# Altium PCB MD2084.PcbDoc (part 3 of 4) (continued)
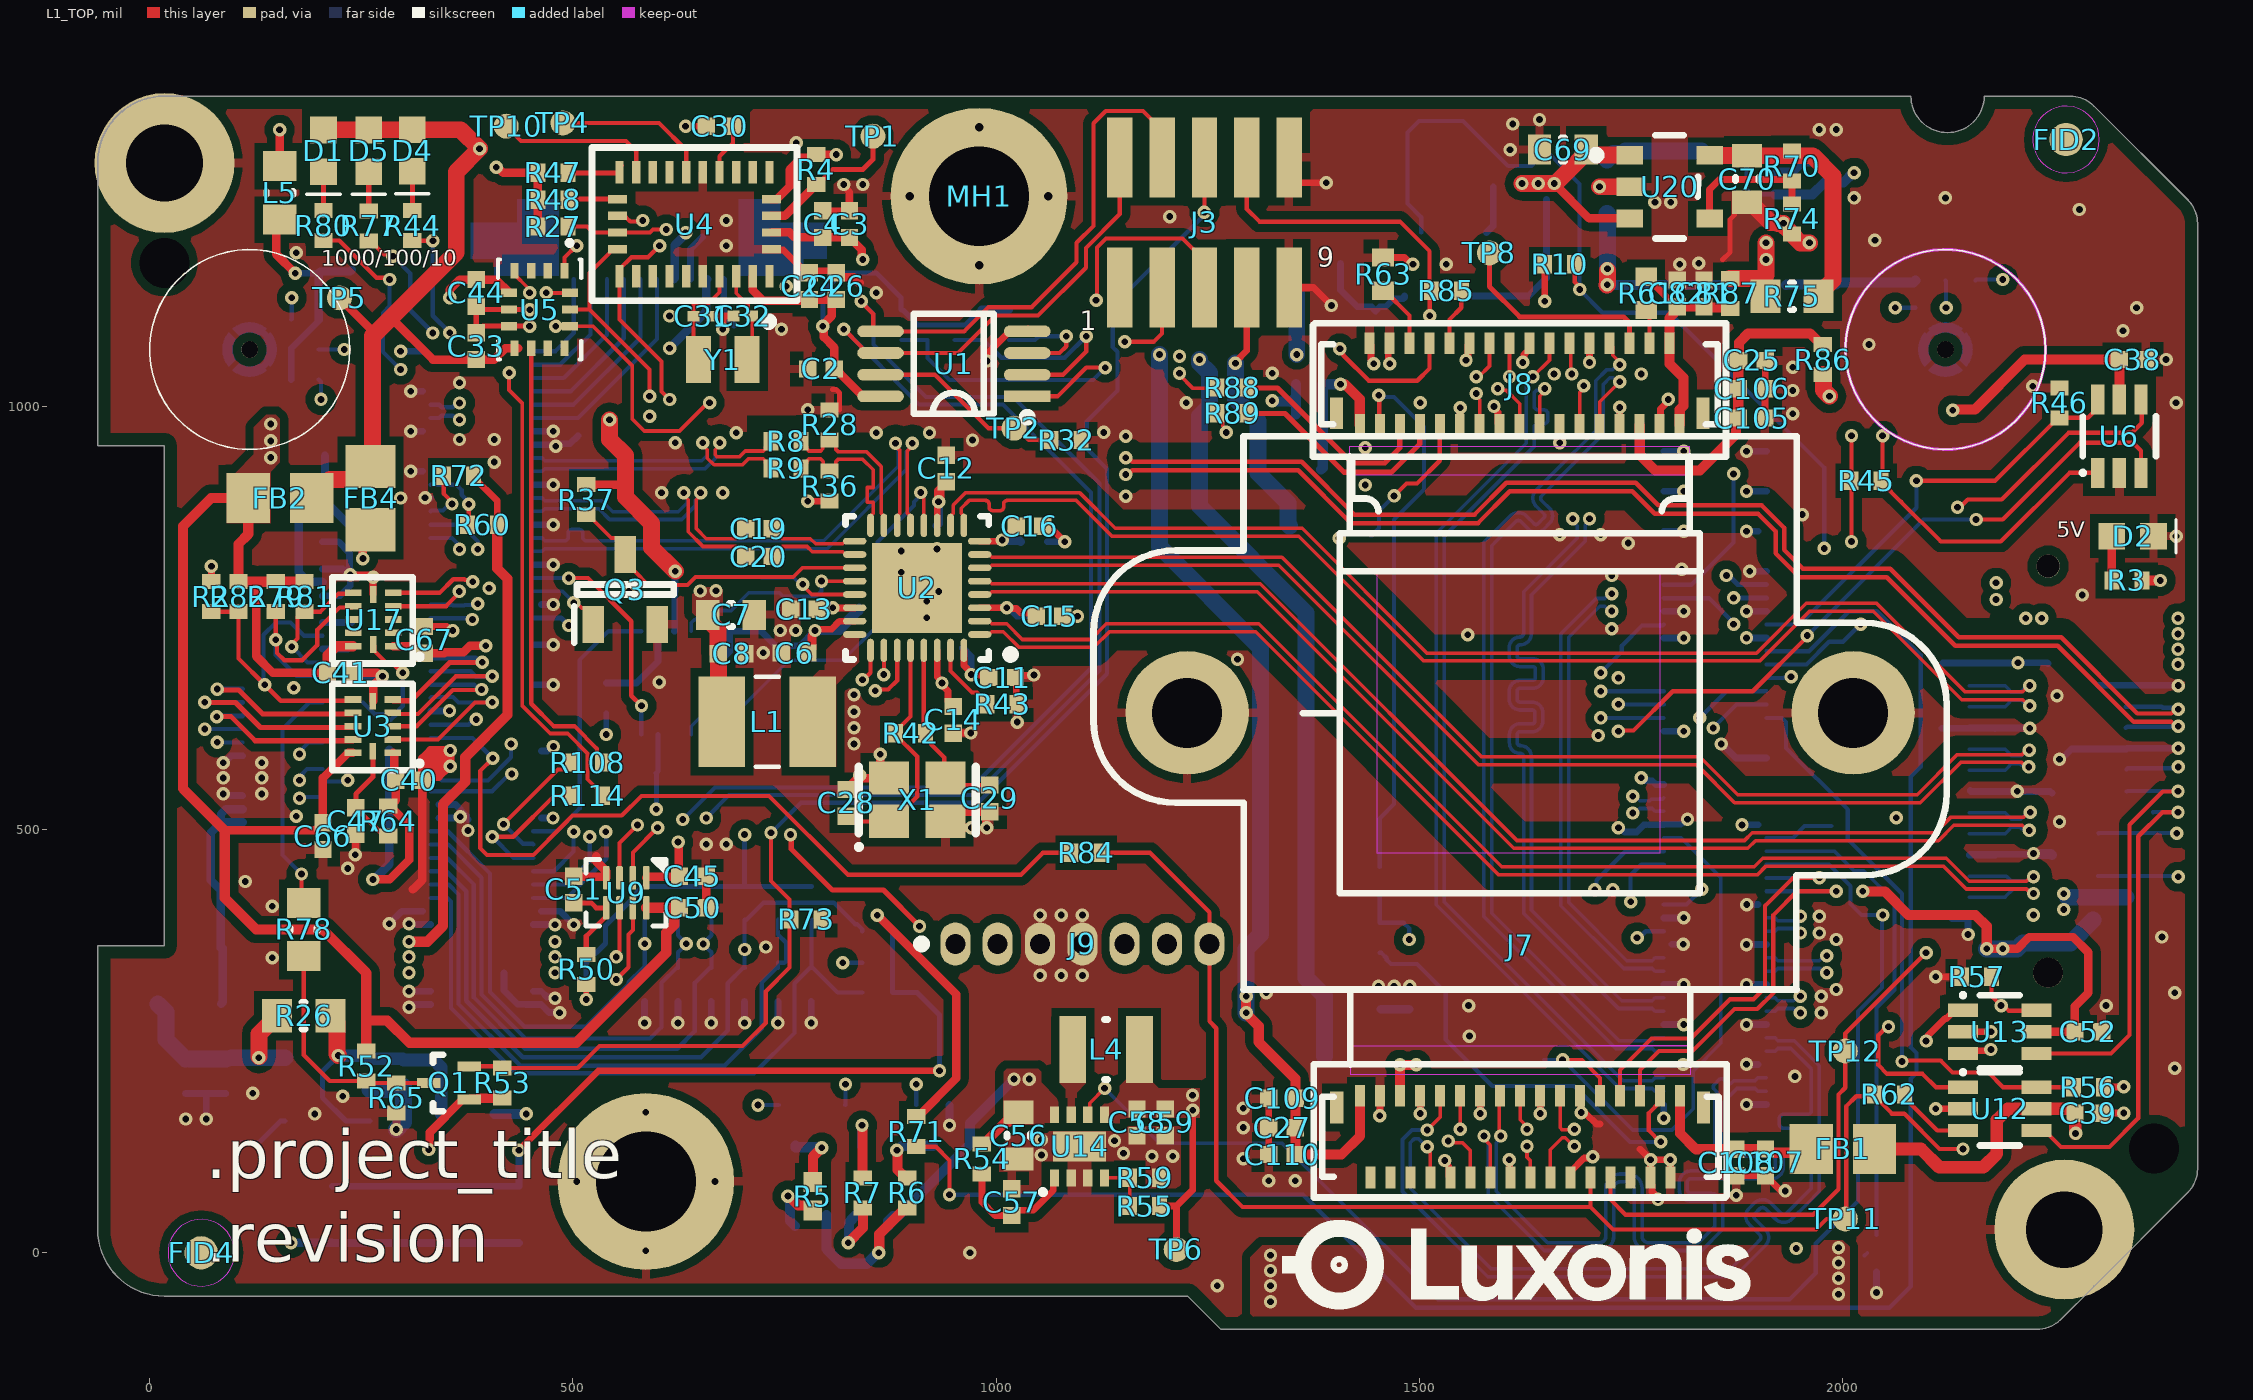
[diagram p0: L1_TOP view]
## Nets (pads, with @x,y where several pads share a name; then routed paths per layer and width w, separated by ;. In a path a pad name is that pad's centre, name@x,y a point inside that pad or via, vN(x,y) a via of type N, cw(c..) or ccw(c..) an arc to the next point about the centre after c; other vN are vias at no path point) (continued)
  L6_BOT w6: v1(1871,773.52) J2.77@1909.77,773.52
I2S1_IN_SD0_M8: J4.59 U13.1 | length 2222.4
  L1_TOP w6: v1(757,494) 757.91,493.09 757.91,477.09 806.48,428.52 866.75,428.52 v1(909.45,385.83)
  L1_TOP w8: v1(2098.43,250.13) 2099.92,251.63 2099.92,255.83 2120.97,276.87 2122.44,276.87 2132.16,286.59 U13.1@2142,286.59
  L3_HS w5: v1(909.45,385.83) 909.45,333.55 961.5,281.5 1213.74,281.5 1286.32,208.92 1307.08,208.92 1554,-38 1860.27,-38 2098.43,200.15 v1(2098.43,250.13)
  L3_HS w6: v1(495,741) 543.44,692.56 560.44,692.56 757,496 v1(757,494)
  L6_BOT w6: J4.59@453.28,749.83 486.17,749.83 v1(495,741)
I2S1_OUT_SD0_M8: J4.57
I2S1_SCK_M8: J2.78 U12.1 | length 809.9
  L1_TOP w5: v1(2054,266.93) 2051.97,266.93 2042,256.95 2042,221.78 2052.39,211.39 2094.2,211.39 2110,195.59 U12.1@2142,195.59
  L3_HS w4.3: v1(1871,742.41) 1871,721.17 1898,694.17 1898,553.27 1932.14,519.14 1932.14,462.74 2015.7,379.17 2015.7,356.71 2051.97,320.44 2051.97,268.95 v1(2054,266.93)
  L6_BOT w5: J2.78@1788.51,773.52 1788.77,773.26 1841.93,773.26 1871,744.19 v1(1871,742.41)
I2S1_WS_M8: J2.80 J5.23 | length 997.1
  L3_HS w5: v1(1871,920) 1925.28,920 1950.31,894.97 2215.27,894.97 2342.52,767.72 2342.52,627.53 v1(2396.12,573.93)
  L6_BOT w5: J2.80@1788.51,789.27 1788.64,789.14 1821.14,789.14 1871,839 v1(1871,920) ; J5.23@2335,571 2336.46,572.46 2394.66,572.46 v1(2396.12,573.93)
I2S2_IN_SD0: J4.21 MIC1.6 MIC2.6 | length 3185.3
  L3_HS w5: v1(500.86,497.24) 499.91,498.19 459.81,498.19 437,521 384,521 212,693 212,990 230,1008 v1(230,1066.93) 230,1151 315.22,1236.22 421.26,1236.22 462.57,1277.53 746.1,1277.53 828.11,1195.52 828.11,1167.26 842.17,1153.19 870.43,1153.19 904.39,1119.24 1072.24,1119.24 1231.4,1278.4 1897.98,1278.4 2024,1152.38 2024,1114 2051,1087 2092.83,1087 v1(2122.05,1116.22)
  L6_BOT w5: MIC1.6@199.76,1066.93 v1(230,1066.93) ; J4.21@453.28,450.62 477.62,450.62 500.86,473.86 v1(500.86,497.24) ; MIC2.6@2121.26,1148.58 2122.05,1147.8 v1(2122.05,1116.22)
I2S2_SCK: J4.17 MIC1.4 MIC2.4 | length 3357.5
  L3_HS w5: v1(538.72,497.43) 539.37,496.78 539.37,481.3 526.07,468 361,468 326,503 326,542.35 188,680.35 188,1108 v1(168,1128) 299.84,1259.84 413.39,1259.84 449.07,1295.53 755.66,1295.53 909.45,1141.73 1061.73,1141.73 1223.15,1303.15 1562.99,1303.15 1578.74,1318.9 1919.23,1318.9 2021.59,1216.54 2039.46,1216.54 2062,1194 v1(2062,1116.22)
  L6_BOT w5: MIC1.4@167.4,1102.36 168,1102.96 v1(168,1128) ; J4.17@453.28,419.13 493.13,419.13 539.37,465.37 539.37,496.78 v1(538.72,497.43) ; v1(2062,1116.22) MIC2.4@2085.83,1116.22
I2S2_WS: J4.19 MIC1.1 MIC2.1 | length 3353.4
  L3_HS w5: v1@202,1008 202,1140 310.03,1248.03 417.32,1248.03 455.82,1286.53 751.93,1286.53 908.53,1129.92 1065.44,1129.92 1222.92,1287.4 1905.51,1287.4 2039.37,1153.54 2039.37,1114.63 2054.93,1099.07 2084.51,1099.07 2135.05,1149.61 v1(2189,1149.61) ; v1(202.41,1008) 202,1007.59 202,685 338,549 338,507 367.97,477.03 505.4,477.03 v1(519.82,491.44)
  L6_BOT w5: MIC1.1@199.76,1031.5 202.41,1028.85 v1(202.41,1008) ; J4.19@453.28,434.87 492.13,434.87 519.82,462.57 v1(519.82,491.44) ; MIC2.1@2156.69,1148.58 2157.72,1149.61 v1(2189,1149.61)
IMU_BMI_INT: R114.1 U5.4 | length 695.3
  L1_TOP w4.5: v1(424.7,1039.37) 424.7,1019.19 440.07,1003.83 440.07,646.55 473.32,613.3 493.85,613.3 517.26,589.88 517.26,559.35 534.98,541.63 R114.1@534.98,539.66 ; U5.4@431.1,1159.94 431.1,1155.51 446.65,1139.96 446.65,1136.03 v1(448.82,1133.86)
  L3_HS w4.5: v1(424.7,1039.37) 424.7,1109.74 v1(448.82,1133.86)
IMU_BOOTN: J4.66
IMU_BOOTN_1V8: R4.1 TP1.1 U4.4 | length 175.8
  L1_TOP w6: R4.1@787.4,1261.81 789.37,1261.81 807.06,1279.5 842.5,1279.5 854.33,1291.34 TP1.1@854.33,1318.9
  L1_TOP w10: U4.4@734.74,1224.9 750.49,1224.9 781.57,1255.98 781.57,1257.95 785.43,1261.81 R4.1@787.4,1261.81
IMU_INT_1V8: TP10.1 U4.14 | length 190.4
  L1_TOP w5: TP10.1@421.26,1330.71 438.59,1313.38 562.68,1313.38 574.8,1301.26 U4.14@574.8,1276.57
IMU_RSTn: J4.64
IMU_RSTn_1V8: TP4.1 U4.11 | length 192.7
  L1_TOP w5: TP4.1@480.32,1334.65 601.59,1334.65 633.86,1302.38 U4.11@633.86,1276.57
IMU_SPI_CS: J2.60 R27.1 U4.18 U5.12 | length 1917.9
  L1_TOP w4.5: v1(479.77,1094.49) U5.12@496.56,1094.49 ; R27.1@494.07,1212.19 516.65,1212.19 523.62,1205.22 591.17,1205.22 594.61,1208.66 v1(610.24,1208.66) ; U5.12@500.98,1094.49 523.62,1094.49 570,1048.11 570,985.12 584.26,970.86 625.96,970.86 659.04,1003.94 v1(661.42,1003.94)
  L3_HS w4.5: v1(479.77,1094.49) 479.77,1124.95 484.25,1129.43 484.25,1189.2 498.78,1203.73 602.24,1203.73 607.17,1208.66 v1(610.24,1208.66) ; v1(661.42,1003.94) 753.9,1003.94 761.77,1011.81 851.19,1011.81 878.75,984.25 1165.36,984.25 1517.82,631.79 v1(1714,631.79)
  L6_BOT w4.5: v1(1714,631.79) J2.60@1788.51,631.79
IMU_SPI_MISO: J2.64 U4.20 U5.1 | length 1712.8
  L1_TOP w5: U5.1@490.16,1159.94 490.16,1175.76 503.97,1189.57 v1(504.65,1189.57) ; v1(602.36,1189.57) 588.71,1175.91 569.12,1175.91 555.12,1161.91 U4.20@555.12,1153.54 555.12,1102.36 604.72,1052.76 604.72,1017.32 v1(614.17,1007.87)
  L3_HS w5: v1(504.65,1189.57) v1(602.36,1189.57) ; v1(614.17,1007.87) 644.1,1037.8 862.97,1037.8 892.9,1007.87 1181.1,1007.87 1525.69,663.29 v1(1714,663.29)
  L6_BOT w5: v1(1714,663.29) J2.64@1788.51,663.29
IMU_SPI_MOSI: J2.62 U4.17 U5.14 | length 1860.9
  L1_TOP w5: v1(468.65,1133.86) U5.14@496.56,1133.86 ; U4.17@552.66,1224.9 555.08,1222.48 563.45,1222.48 567.8,1218.12 581.42,1218.12 v1(582.68,1219.38)
  L3_HS w5: v1(582.68,1219.38) 494.97,1219.38 468.65,1193.05 v1(468.65,1133.86) 468.65,1114.75 464.57,1110.67 464.57,1080.61 497.93,1047.24 527.56,1047.24 562.99,1011.81 562.99,992.13 584.81,970.31 600.48,970.31 655.17,1025 856.89,1025 885.83,996.06 1173.23,996.06 1521.75,647.54 1734.54,647.54 v1(1735,648)
  L6_BOT w5: v1(1735,648) 1735.46,647.54 J2.62@1788.51,647.54
IMU_SPI_SCK: J2.74 U4.19 U5.13 | length 1640
  L1_TOP w5: U5.13@500.98,1114.17 519.69,1114.17 ; U4.19@552.66,1185.53 546.26,1185.53 543.84,1183.11 543.84,1181.63 519.69,1157.48 519.69,1114.17 ; v1(590.55,1011.81) 590.55,1043.31 519.69,1114.17
  L3_HS w5: v1(590.55,1011.81) 632.57,1053.83 870.71,1053.83 904.85,1019.68 1187.32,1019.68 1527.96,679.04 1689,679.04 1695,685.04 v1(1714,685.04)
  L6_BOT w5: v1(1714,685.04) 1739.03,710.07 1739.03,717.03 1762.98,740.98 1787.46,740.98 J2.74@1788.51,742.03
IMU_WAKE: R108.1 U5.9 | length 538.6
  L1_TOP w5: U5.9@450.79,1068.41 450.79,648.52 477.26,622.05 501.81,622.05 528.62,595.24 528.62,585.43 R108.1@534.98,579.08
IMU_WAKE_1V8: U4.6
IO_1: J1.11 U3.8 | length 202.4
  L1_TOP w6: v1(80,665.87) 80.9,664.98 105.02,664.98 133.65,636.35 U3.8@240.38,636.35
  L6_BOT w6: v1(80,665.87) J1.11@109.76,665.87
IO_2: J1.10 U3.9 | length 232.4
  L1_TOP w6: v1(65,650.13) 101.44,650.13 130.97,620.6 U3.9@240.38,620.6
  L6_BOT w6: v1(65,650.13) J1.10@109.76,650.13
IO_3_: J1.9 U3.10 | length 203.6
  L1_TOP w6: v1(79.37,633.28) 96.35,633.28 124.78,604.85 U3.10@240.38,604.85
  L6_BOT w6: v1(79.37,633.28) 79.92,633.83 109.22,633.83 J1.9@109.76,634.38
LED0_10_GRN: R44.1 U2.27 | length 1096.6
  L1_TOP w5: R44.1@310.32,1195.69 310.64,1195.37 v1(334.65,1195.37) ; v1(857,664) 858.41,665.41 872.41,665.41 883.07,676.07 U2.27@883.07,711.64
  L3_HS w5: v1(354.47,1086.89) 354.47,1086.06 332,1063.58 332,948.73 351.37,929.36 377.48,929.36 428.84,878 491,878 539.37,829.63 539.37,783.69 638.06,685 755.15,685 770.56,700.41 870.28,700.41 882.73,687.97 882.73,675.73 872.41,665.41 858.41,665.41 v1(857,664)
  L6_BOT w5: v1(334.65,1195.37) 334.51,1195.23 334.51,1106.86 v1(354.47,1086.89)
LED1_100_OR: R77.1 U2.26 | length 1006
  L1_TOP w5: R77.1@258.83,1195.37 260.8,1195.37 276.93,1179.24 285.33,1179.24 v1(287.4,1177.17) ; v1(867.32,682.99) U2.26@867.32,711.64
  L3_HS w5: v1(334.51,1086.47) 334.51,1084.76 322.83,1073.09 322.83,945.17 350.83,917.17 376.94,917.17 449.11,845 497,845 530,812 530,779.49 633.49,676 758.88,676 774.29,691.41 855.97,691.41 864.39,682.99 v1(867.32,682.99)
  L6_BOT w5: v1(287.4,1177.17) 307.93,1156.64 307.93,1113.33 334.51,1086.75 v1(334.51,1086.47)
LED2_1000_GRN: R80.1 U2.25 | length 1036.6
  L1_TOP w5: R80.1@205.32,1195.69 224.05,1195.69 268.06,1151.68 281.39,1151.68 v1(283.46,1149.61) ; v1(842,677) 843.49,677 851.58,685.08 U2.25@851.58,711.64
  L3_HS w5: v1(296.47,1043.31) 296.47,1040.38 291.34,1035.25 291.34,960.63 344.65,907.32 374.07,907.32 445.38,836 493.27,836 520,809.27 520,776.76 631.41,665.35 774.35,665.35 786,677 v1(842,677)
  L6_BOT w5: v1(283.46,1149.61) 283.46,1118.11 275.59,1110.24 275.59,1064.18 v1(296.47,1043.31)
MD1_N: J5.3 U2.2 | length 1477.8
  L1_TOP w4.2: U2.2@980.51,746.09 991.35,746.09 994.57,742.88 1012.33,742.88 1030.8,724.41 1111.45,724.41 1129.92,742.88 1310.3,742.88 1597.18,456 1895.39,456 1905.54,466.14 2122.38,466.14 2149.52,439 2216.97,439 2222.22,444.25 v1(2225.24,444.25)
  L6_BOT w4.2: J5.3@2149.49,444.96 2193.32,444.96 2198.97,439.32 2217.16,439.32 2221.84,444 v1@2225.24,444
MD1_P: J5.2 U2.1 | length 1478.6
  L1_TOP w4.2: U2.1@980.51,730.34 991.35,730.34 994.57,733.56 1008.47,733.56 1026.94,715.09 1115.31,715.09 1133.78,733.56 1306.44,733.56 1593.32,446.68 1899.25,446.68 1909.4,456.83 2118.52,456.83 2145.66,429.68 2156.86,429.68 2216.97,429.68 2222.22,424.43 v1(2225.24,424.43)
  L6_BOT w4.2: J5.2@2149.49,419.96 2191.81,419.96 2191.81,420.53 2197.07,425.79 2197.64,425.79 2201.85,430 2216.65,430 2222.43,424.22 v1@2223.4,424.22
MD2_N: J5.6 U2.5 | length 1460.5
  L1_TOP w4.2: U2.5@980.51,793.34 991.35,793.34 994.57,790.12 1312.06,790.12 1615.18,487 1883.89,487 1893.09,496.2 2109.14,496.2 2127.17,514.23 2213.14,514.23 2219.18,520.27 v1(2221.42,520.27)
  L6_BOT w4.2: J5.6@2149.49,519.96 2191.81,519.96 2196.6,515.17 2196.6,514.58 2199.06,512.12 2210.12,512.12 2218.27,520.27 v1(2221.42,520.27)
MD2_P: J5.5 U2.4 | length 1456.1
  L1_TOP w4.2: U2.4@980.51,777.59 991.35,777.59 994.56,780.8 1308.2,780.8 1611.32,477.68 1887.75,477.68 1896.95,486.88 2112.99,486.88 2131.03,504.92 2211.84,504.92 2217.88,498.88 v1(2220.12,498.88)
  L6_BOT w4.2: J5.5@2149.49,494.96 2191.81,494.96 2196.6,499.75 2196.6,500.34 2199.06,502.8 2209,502.8 2210.69,501.11 2217.89,501.11 v1(2220.12,498.88)
MD3_N: J5.9 U2.7 | length 1456.6
  L1_TOP w4.2: U2.7@980.51,824.83 991.35,824.83 994.57,821.62 1337.56,821.62 1573.18,586 1831,586 1876,541 2087.82,541 2135.33,588.51 2212.13,588.51 2217.39,593.77 v1(2220.4,593.77)
  L6_BOT w4.2: J5.9@2149.49,594.96 2191.81,594.96 2196.6,590.17 2196.6,589.58 2199.06,587.12 2210.6,587.12 2217.25,593.77 v1(2220.4,593.77)
MD3_P: J5.8 U2.6 | length 1450.6
  L1_TOP w4.2: U2.6@980.51,809.08 991.35,809.08 994.57,812.3 1333.7,812.3 1569.32,576.68 1827.14,576.68 1872.14,531.68 2091.68,531.68 2139.19,579.19 2211.25,579.19 2216.51,573.93 v1(2219.52,573.93)
  L6_BOT w4.2: J5.8@2149.49,569.96 2191.81,569.96 2196.6,574.75 2196.6,575.34 2199.06,577.8 2209,577.8 2210.65,576.15 2214.27,576.15 v1@2216.49,573.93
MD4_N: J5.12 U2.10 | length 1530.7
  L1_TOP w4.2: U2.10@946.06,859.28 946.06,870.12 949.28,873.33 949.28,883.22 964.06,898 1028,898 1098.35,898 1140.57,855.77 1361.4,855.77 1508.81,708.37 1898.05,708.37 1956.77,767.09 2039.91,767.09 2144.34,662.66 2212.73,662.66 2220.07,670 v1(2221,670)
  L6_BOT w4.2: J5.12@2149.49,669.96 2191.81,669.96 2196.6,665.17 2196.6,664.58 2199.06,662.12 2209.97,662.12 2217.85,670 v1(2221,670)
MD4_P: J5.11 U2.9 | length 1531.5
  L1_TOP w4.2: U2.9@961.81,859.28 961.81,870.12 958.6,873.33 958.6,879.36 967.92,888.68 968,888.68 987.29,888.68 cw(c987.29,884.39) 991.59,884.39 991.59,880.92 ccw(c995.89,880.92) 995.89,876.62 1004.48,876.62 ccw(c1004.48,880.92) 1008.78,880.92 1008.78,884.39 cw(c1013.08,884.39) 1013.08,888.68 1028,888.68 1094.49,888.68 1136.71,846.46 1357.54,846.46 1504.95,699.05 1901.91,699.05 1960.63,757.78 2036.05,757.78 2140.48,653.34 2212.73,653.34 2220.07,646 v1(2221,646)
  L6_BOT w4.2: J5.11@2149.49,644.96 2191.81,644.96 2196.6,649.75 2196.6,650.34 2199.06,652.8 2211.05,652.8 2217.85,646 v1(2221,646)
MIPI_RX4_C_N: J2.3 J7.20 | length 992.9
  L1_TOP w4.2: v1(1576.17,138) 1576.17,134.85 1583.76,127.27 J7.20@1583.76,88.85
  L6_BOT w4.2: v1(1576.17,138) 1576.17,134.98 1581.43,129.73 1581.43,68.67 1647.42,2.68 1706.05,2.68 1712.81,2.68 ccw(c1712.81,19.26) 1729.38,19.26 1729.38,76.45 cw(c1736.64,76.45) 1736.64,83.71 1746.32,83.71 cw(c1746.32,76.45) 1753.58,76.45 1753.58,19.26 ccw(c1770.16,19.26) 1770.16,2.68 1793,2.68 1833.36,2.68 1858.32,27.64 1858.32,35.53 1858.32,56.53 ccw(c1844.7,56.53) 1844.7,70.15 1820.61,70.15 cw(c1820.61,74.44) 1816.32,74.44 1816.32,83.04 cw(c1820.61,83.04) 1820.61,87.34 1916.02,87.34 ccw(c1916.02,100.95) 1929.64,100.95 1929.64,109.55 ccw(c1916.02,109.55) 1916.02,123.16 1862.61,123.16 cw(c1862.61,127.46) 1858.32,127.46 1858.32,134.22 1858.32,177.32 1875.06,194.06 1896.32,194.06 1899.53,190.85 J2.3@1909.77,190.85
MIPI_RX4_C_P: J2.5 J7.19 | length 992.7
  L1_TOP w4.2: J7.19@1595.28,185.3 1594.15,184.18 1594.15,139.85 v1(1596,138)
  L6_BOT w4.2: v1(1596,138) 1596,134.98 1590.75,129.73 1590.75,72.53 1651.28,12 1706.05,12 1712.81,12 ccw(c1712.81,19.26) 1720.07,19.26 1720.07,76.45 cw(c1736.64,76.45) 1736.64,93.03 1746.32,93.03 cw(c1746.32,76.45) 1762.9,76.45 1762.9,19.26 ccw(c1770.16,19.26) 1770.16,12 1793,12 1829.5,12 1849,31.5 1849,35.53 1849,56.53 ccw(c1844.7,56.53) 1844.7,60.83 1820.61,60.83 cw(c1820.61,74.44) 1807,74.44 1807,83.04 cw(c1820.61,83.04) 1820.61,96.65 1916.02,96.65 ccw(c1916.02,100.95) 1920.32,100.95 1920.32,109.55 ccw(c1916.02,109.55) 1916.02,113.84 1862.61,113.84 cw(c1862.61,127.46) 1849,127.46 1849,134.22 1849,181.18 1850.02,182.2 1851.51,183.68 ccw(c1848.54,186.65) 1851.51,189.62 1848.13,193 cw(c1850.96,195.83) 1848.13,198.66 1853.79,204.32 cw(c1856.62,201.49) 1859.45,204.32 1862.83,200.94 ccw(c1865.8,203.91) 1868.77,200.94 1871.2,203.38 1878.13,203.38 1896.32,203.38 1899.53,206.59 J2.5@1909.77,206.59
MIPI_RX4_D0_N: J2.9 J7.26 | length 998.4
  L1_TOP w4.2: v1(1509,125.17) 1509,122.03 1512.89,118.13 J7.26@1512.89,88.85
  L6_BOT w4.2: v1(1509,125.17) 1508.41,125.17 1498.66,134.93 1494.2,134.93 1489.27,130 1489.27,76.16 1584.43,-19 1867.82,-19 1897.08,10.26 1901.86,15.04 ccw(c1898.82,18.08) 1901.86,21.12 1889.51,33.47 cw(c1899.14,43.1) 1889.48,52.69 1895.62,58.83 cw(c1905.21,49.17) 1914.84,58.8 1927.19,46.45 ccw(c1930.23,49.49) 1933.27,46.45 1951.44,64.61 1963,76.18 1963,132.1 1963,142.28 ccw(c1958.1,142.28) 1958.1,147.18 1930,147.18 cw(c1930,152.07) 1925.1,152.07 1925.1,158.6 cw(c1930,158.6) 1930,163.5 1958.1,163.5 ccw(c1958.1,168.4) 1963,168.4 1963,186.82 1963,217 1938.69,241.31 1923.22,241.31 1920,238.09 J2.9@1909.77,238.09
MIPI_RX4_D0_P: J2.11 J7.25 | length 997.8
  L1_TOP w4.2: v1(1509,145) 1524.41,160.38 J7.25@1524.41,185.3
  L6_BOT w4.2: v1(1509,145) 1491.09,145 1479.95,133.86 1479.95,72.3 1580.57,-28.32 1871.68,-28.32 1903.67,3.67 1908.48,8.48 ccw(c1898.82,18.08) 1908.45,27.7 1896.1,40.06 cw(c1899.14,43.1) 1896.1,46.14 1902.17,52.21 cw(c1905.21,49.17) 1908.25,52.21 1920.58,39.89 ccw(c1930.23,49.49) 1939.86,39.86 1958.02,58.02 1972.32,72.32 1972.32,220.86 1942.55,250.62 1923.22,250.62 1920,253.84 J2.11@1909.77,253.84
MIPI_RX4_D1_N: J2.15 J7.22 | length 832.7
  L1_TOP w4.2: v1(1534.01,131.98) 1536.24,129.76 1551.24,129.76 1560.14,120.86 J7.22@1560.14,88.85
  L3_HS w4.2: v1(1534.01,131.98) 1537.16,131.98 1541.33,127.81 1541.54,127.81 1548.03,121.32 1548.03,55.97 1601.29,2.71 1764.71,2.71 1861,99 1861,267.34 1881.23,287.57 1942.58,287.57 1946.85,283.3 v1(1950,283.3)
  L6_BOT w4.2: J2.15@1909.77,285.33 1920,285.33 1923.22,288.55 1941.73,288.55 1946.98,283.3 v1(1950,283.3)
MIPI_RX4_D1_P: J2.17 J7.23 | length 827.7
  L1_TOP w4.2: v1(1548.03,146) J7.23@1548.03,185.3
  L3_HS w4.2: v1(1548.03,146) 1550.26,143.78 1550.26,135.05 1559.32,125.99 1559.32,118.11 1559.32,116.01 ccw(c1563.61,116.01) 1563.61,111.71 1571.83,111.71 cw(c1571.83,107.41) 1576.13,107.41 1576.13,98.82 cw(c1571.83,98.82) 1571.83,94.52 1563.61,94.52 ccw(c1563.61,90.22) 1559.32,90.22 1559.32,82.68 1559.32,60.64 1605.96,14 1760.04,14 1849.71,103.67 1849.71,272.01 1876.56,298.85 1942.58,298.85 1946.85,303.12 v1(1950,303.12)
  L6_BOT w4.2: J2.17@1909.77,301.08 1920,301.08 1923.22,297.87 1941.73,297.87 1946.98,303.12 v1(1950,303.12)
MIPI_RX5_D2_N: J2.21 J7.16 | length 831.4
  L1_TOP w4.2: v1(1627,126) 1627,113 1631,109 J7.16@1631,88.85
  L3_HS w4.2: v1(1627,126) 1630.15,126 1634.15,130 1642.52,130 1649.02,123.5 1649.02,58.98 1673.27,34.73 1736.69,34.73 1752.29,50.33 1752.29,149.92 1785,182.64 1785,185.04 1785,192.78 ccw(c1769.42,192.78) 1769.42,208.37 1755.32,208.37 cw(c1755.32,212.66) 1751.02,212.66 1751.02,221.26 cw(c1755.32,221.26) 1755.32,225.56 1769.42,225.56 ccw(c1769.42,241.14) 1785,241.14 1785,263.78 1785,267.34 1803,285.33 1825.29,285.33 1875.23,335.27 1921.26,335.27 1972.44,335.27 1973.58,335.27 1977.85,331 v1(1981,331)
  L6_BOT w4.2: J2.21@1909.77,332.58 1920,332.58 1923.22,335.79 1973.06,335.79 1977.85,331 v1(1981,331)
MIPI_RX5_D2_P: J2.23 J7.17 | length 836.2
  L1_TOP w4.2: J7.17@1618.9,185.3 1618.9,157.08 v1@1626.64,149.33 ; v1(1627,145.83) v1@1627,149.69
  L3_HS w4.2: v1(1627,145.83) 1630.15,145.83 1634.69,141.29 1647.19,141.29 1660.31,128.17 1660.31,63.65 1677.94,46.02 1732.02,46.02 1741,55 1741,154.6 1771.44,185.04 1773.71,187.31 1773.71,192.78 ccw(c1769.42,192.78) 1769.42,197.08 1755.32,197.08 cw(c1755.32,212.66) 1739.73,212.66 1739.73,221.26 cw(c1755.32,221.26) 1755.32,236.84 1769.42,236.84 ccw(c1769.42,241.14) 1773.71,241.14 1773.71,263.78 1773.71,272.01 1798.32,296.62 1820.62,296.62 1870.56,346.56 1973.58,346.56 1977.85,350.83 v1(1981,350.83)
  L6_BOT w4.2: J2.23@1909.77,348.33 1920,348.33 1923.22,345.11 1972.27,345.11 1977.98,350.83 v1(1981,350.83)
MIPI_RX5_D3_N: J2.27 J7.14 | length 832.8
  L1_TOP w4.2: J7.14@1654.62,88.85 1654.62,121.8 1668.6,135.77 1672.08,135.77 1681.85,126 v1(1683,126)
  L3_HS w4.2: v1(1683,126) 1686.15,126 1690.42,130.27 1705.14,130.27 1719,144.13 1719,237 1719,244.74 ccw(c1700.46,244.74) 1700.46,263.29 1594.3,263.29 cw(c1594.3,270.55) 1587.04,270.55 1587.04,280.23 cw(c1594.3,280.23) 1594.3,287.49 1700.46,287.49 ccw(c1700.46,306.03) 1719,306.03 1719,317 1738.76,336.76 1741,339 1828.96,339 1872.01,382.05 1942.58,382.05 1946.85,377.78 v1(1950,377.78)
  L6_BOT w4.2: J2.27@1909.77,379.82 1920,379.82 1923.22,383.04 1935.79,383.04 1941.73,383.04 1946.98,377.78 v1(1950,377.78)
MIPI_RX5_D3_P: J2.29 J7.13 | length 830
  L1_TOP w4.2: J7.13@1666.14,185.3 1666.14,147.55 1668.6,145.09 1682.26,145.09 v1(1683,145.83)
  L3_HS w4.2: v1(1683,145.83) 1685.22,143.6 1688.37,143.6 1690.42,141.56 1700.47,141.56 1707.71,148.8 1707.71,237 1707.71,244.74 ccw(c1700.46,244.74) 1700.46,252 1594.3,252 cw(c1594.3,270.55) 1575.75,270.55 1575.75,280.23 cw(c1594.3,280.23) 1594.3,298.77 1700.46,298.77 ccw(c1700.46,306.03) 1707.71,306.03 1707.71,321.67 1729.83,343.79 1736.33,350.29 1824.29,350.29 1867.34,393.34 1896.93,393.34 1899.03,393.34 ccw(c1899.03,398.13) 1903.82,398.13 1903.82,398.86 cw(c1908.61,398.86) 1908.61,403.65 1918.19,403.65 cw(c1918.19,398.86) 1922.98,398.86 1922.98,398.13 ccw(c1927.77,398.13) 1927.77,393.34 1937.78,393.34 1942.58,393.34 1946.85,397.61 v1(1950,397.61)
  L6_BOT w4.2: J2.29@1909.77,395.57 1920,395.57 1923.22,392.36 1931.93,392.36 1941.73,392.36 1946.98,397.61 v1(1950,397.61)
MIPI_RX6_C_N: J2.4 J8.20 | length 1078.7
  L1_TOP w4.2: v1(1633.98,1034.83) 1653.57,1054.42 J8.20@1653.57,1074.18
  L6_BOT w4.2: v1(1633.98,1034.83) 1633.98,1031.69 1626,1023.71 1626,956.18 1519.68,849.86 1519.68,410.97 1736.59,194.06 1775.06,194.06 1778.27,190.85 J2.4@1788.51,190.85
MIPI_RX6_C_P: J2.6 J8.19 | length 1078.3
  L1_TOP w4.2: J8.19@1642.05,977.72 1642.05,1011.71 1648,1017.66 v1(1648,1020.81)
  L6_BOT w4.2: v1(1648,1020.81) 1645.78,1018.58 1637.9,1018.58 1635.32,1016 1635.32,1009 1635.32,1000.54 ccw(c1640.21,1000.54) 1640.21,995.65 1646.87,995.65 cw(c1646.87,990.75) 1651.77,990.75 1651.77,984.22 cw(c1646.87,984.22) 1646.87,979.32 1640.21,979.32 ccw(c1640.21,974.42) 1635.32,974.42 1635.32,956 1635.32,952.32 1529,846 1529,414.83 1740.45,203.38 1775.06,203.38 1778.27,206.59 J2.6@1788.51,206.59
MIPI_RX6_D0_N: J2.10 J8.26 | length 1077.6
  L1_TOP w4.2: J8.26@1724.44,1074.18 1728.24,1070.37 1728.24,1060.27 1736.54,1051.97 v1(1736.54,1048.83)
  L6_BOT w4.2: 1626.25,870.35 1624.91,871.7 1624.68,871.7 ccw(c1616.72,860.78) 1607.16,870.33 1584.25,847.42 1576,839.18 1576,397.15 1731.84,241.31 1767.91,241.31 1775.06,241.31 1778.27,238.09 J2.10@1788.51,238.09 ; 1626.27,870.33 1635.4,861.2 ccw(c1637.71,863.51) 1640.02,861.2 1646.94,868.13 ccw(c1644.64,870.44) 1646.94,872.76 ; 1646.91,872.78 1637.82,881.88 cw(c1647.37,891.43) 1637.82,900.99 1661.52,924.7 1708.01,971.19 1708.01,1029.92 1720.93,1042.84 1727.53,1042.84 1733.52,1048.83 v1(1736.54,1048.83)
MIPI_RX6_D0_P: J2.12 J8.25 | length 1076.8
  L1_TOP w4.2: J8.25@1712.92,977.72 1712.92,1005.38 v1(1736.54,1029)
  L6_BOT w4.2: v1(1736.54,1029) 1733.4,1029 1728.87,1033.52 1724.79,1033.52 1717.33,1026.06 1717.33,967.33 1668.11,918.11 1644.4,894.4 ccw(c1647.37,891.43) 1644.4,888.47 1654.9,877.97 1654.9,877.72 cw(c1644.64,870.44) 1653.56,861.57 1646.61,854.62 cw(c1637.71,863.51) 1628.78,854.65 1619.71,863.72 ccw(c1616.72,860.78) 1613.75,863.75 1590.84,840.84 1585.32,835.32 1585.32,401.01 1735.7,250.62 1764.05,250.62 1775.06,250.62 1778.27,253.84 J2.12@1788.51,253.84
MIPI_RX6_D1_N: J2.16 J8.22 | length 1043.1
  L1_TOP w4.2: J8.22@1677.19,1074.18 1678.59,1072.79 1678.59,1039.41 v1(1679.98,1038.02)
  L3_HS w4.2: v1(1679.98,1038.02) 1677.76,1035.79 1677.76,1029.75 1669.65,1021.65 1669.65,998.97 1685.27,983.34 1685.27,963.4 1685.27,874.42 1681,870.15 v1(1681,867)
  L6_BOT w4.2: v1(1681,867) 1681,863.98 1686.26,858.73 1686.26,844.26 1623,781 1623,764 1623,731.6 cw(c1618.8,731.6) 1618.8,727.4 1618.63,727.4 ccw(c1618.63,714.82) 1606.05,714.82 1606.05,705.02 ccw(c1618.63,705.02) 1618.63,692.44 1633.68,692.44 cw(c1633.68,689.18) 1636.95,689.18 1636.95,679.38 cw(c1633.68,679.38) 1633.68,676.12 1618.63,676.12 ccw(c1618.63,663.54) 1606.05,663.54 1606.05,653.74 ccw(c1618.63,653.74) 1618.63,641.16 1633.07,641.16 cw(c1633.07,637.89) 1636.33,637.89 1636.33,628.1 cw(c1633.07,628.1) 1633.07,624.83 1618.8,624.83 ccw(c1618.8,612.25) 1606.22,612.25 1606.22,602.46 ccw(c1618.8,602.46) 1618.8,589.88 cw(c1618.8,585.68) 1623,585.68 1623,563.23 1623,400.69 1735.14,288.55 1768.41,288.55 1775.06,288.55 1778.27,285.33 J2.16@1788.51,285.33
MIPI_RX6_D1_P: J2.18 J8.23 | length 1043.1
  L1_TOP w4.2: J8.23@1689.3,977.72 1689.3,1016.15 1694,1020.85 v1(1694,1024)
  L3_HS w4.2: v1(1694,1024) 1691.78,1021.78 1685.74,1021.78 1680.93,1016.97 1680.93,1003.64 1696.56,988.02 1696.56,963.4 1696.56,947.73 ccw(c1702.61,947.73) 1702.61,941.68 cw(c1702.61,935.63) 1708.66,935.63 1708.66,923.53 cw(c1702.61,923.53) 1702.61,917.48 ccw(c1702.61,911.43) 1696.56,911.43 1696.56,885.13 1696.56,874.42 1700.83,870.15 v1(1700.83,867)
  L6_BOT w4.2: v1(1700.83,867) 1700.83,863.98 1695.57,858.73 1695.57,840.4 1632.32,777.14 1632.32,764 1632.32,731.6 cw(c1618.8,731.6) 1618.8,718.08 1618.63,718.08 ccw(c1618.63,714.82) 1615.37,714.82 1615.37,705.02 ccw(c1618.63,705.02) 1618.63,701.76 1633.68,701.76 cw(c1633.68,689.18) 1646.27,689.18 1646.27,679.38 cw(c1633.68,679.38) 1633.68,666.8 1618.63,666.8 ccw(c1618.63,663.54) 1615.37,663.54 1615.37,653.74 ccw(c1618.63,653.74) 1618.63,650.48 1633.07,650.48 cw(c1633.07,637.89) 1645.65,637.89 1645.65,628.1 cw(c1633.07,628.1) 1633.07,615.52 1618.8,615.52 ccw(c1618.8,612.25) 1615.54,612.25 1615.54,602.46 ccw(c1618.8,602.46) 1618.8,599.19 cw(c1618.8,585.68) 1632.32,585.68 1632.32,563.23 1632.32,404.55 1739,297.87 1764.55,297.87 1775.06,297.87 1778.27,301.08 J2.18@1788.51,301.08
MIPI_RX7_D2_N: J2.22 J8.16 | length 992.2
  L1_TOP w4.2: v1(1606.33,1034.83) J8.16@1606.33,1074.18
  L3_HS w4.2: v1(1606.33,1034.83) 1608.55,1032.6 1608.55,1026.56 1622.83,1012.29 1622.83,954 1622.83,946.26 ccw(c1627.72,946.26) 1627.72,941.36 1648.35,941.36 cw(c1648.35,925.18) 1664.54,925.18 1664.54,918.65 cw(c1648.35,918.65) 1648.35,902.46 1627.72,902.46 ccw(c1627.72,897.57) 1622.83,897.57 1622.83,859.45 1622.83,843.13 1692.13,773.83 1719.35,773.83 1723.89,778.38 v1(1727.04,778.38)
  L6_BOT w4.2: v1(1727.04,778.38) 1724.3,778.38 1718.77,772.85 1708.93,772.85 1667,730.92 1667,409.94 1741.14,335.79 1768.43,335.79 1775.06,335.79 1778.27,332.58 J2.22@1788.51,332.58
MIPI_RX7_D2_P: J2.24 J8.17 | length 990
  L1_TOP w4.2: v1(1592.31,1020.81) 1594.05,1019.06 1602.26,1019.06 1618.43,1002.9 J8.17@1618.43,977.72
  L3_HS w4.2: v1(1592.31,1020.81) 1594.53,1018.58 1600.57,1018.58 1611.54,1007.61 1611.54,954 1611.54,946.26 ccw(c1627.72,946.26) 1627.72,930.07 1648.35,930.07 cw(c1648.35,925.18) 1653.25,925.18 1653.25,918.65 cw(c1648.35,918.65) 1648.35,913.75 1627.72,913.75 ccw(c1627.72,897.57) 1611.54,897.57 1611.54,859.45 1611.54,838.46 1687.45,762.55 1719.31,762.55 1723.85,758 v1(1727,758)
  L6_BOT w4.2: v1(1727,758) 1724.26,758 1718.73,763.53 1712.79,763.53 1676.32,727.06 1676.32,413.79 1745,345.11 1764.57,345.11 1775.06,345.11 1778.27,348.33 J2.24@1788.51,348.33
MIPI_RX7_D3_N: J2.46 J8.14 | length 896.4
  L1_TOP w4.2: v1(1567,1034.83) 1570.15,1034.83 1582.71,1047.39 J8.14@1582.71,1074.18
  L3_HS w4.2: 1560.87,828.87 1553.54,821.54 cw(c1541.52,833.56) 1529.5,821.54 1527.85,823.19 1524.03,827.01 1519.71,831.33 1519.71,1015.21 1535.06,1030.56 1559.58,1030.56 1563.85,1034.83 v1(1567,1034.83) ; 1560.89,828.89 cw(c1564.93,824.85) 1568.97,828.89 1572.43,825.43 cw(c1568.39,821.39) 1572.43,817.35 1565.08,810 ccw(c1577.1,797.98) 1565.08,785.96 1590.55,760.49 1594.37,756.67 1643.04,708 1734,708 1760.78,681.22 1773.5,668.5 1773.5,615.46 1715.71,557.67 1715.71,532.86 1724.79,523.79 1744.58,523.79 1748.85,519.52 v1(1752,519.52)
  L6_BOT w4.2: v1(1752,519.52) 1755.02,519.52 1760.27,524.77 1764.57,524.77 1775.06,524.77 1778.27,521.56 J2.46@1788.51,521.56